# Altium PCB hand_fpc.PcbDoc (part 2 of 2)
Units mm, origin at the board's own origin, x right, y up, seen from the top; angles counter-clockwise.
Board outline 66 x 117.49 mm, 2 copper layers (Top Layer, Bottom Layer); 51 components, 53 nets, 256 pads, 358 vias.
Unrouted connection lines stored in the file: 50.
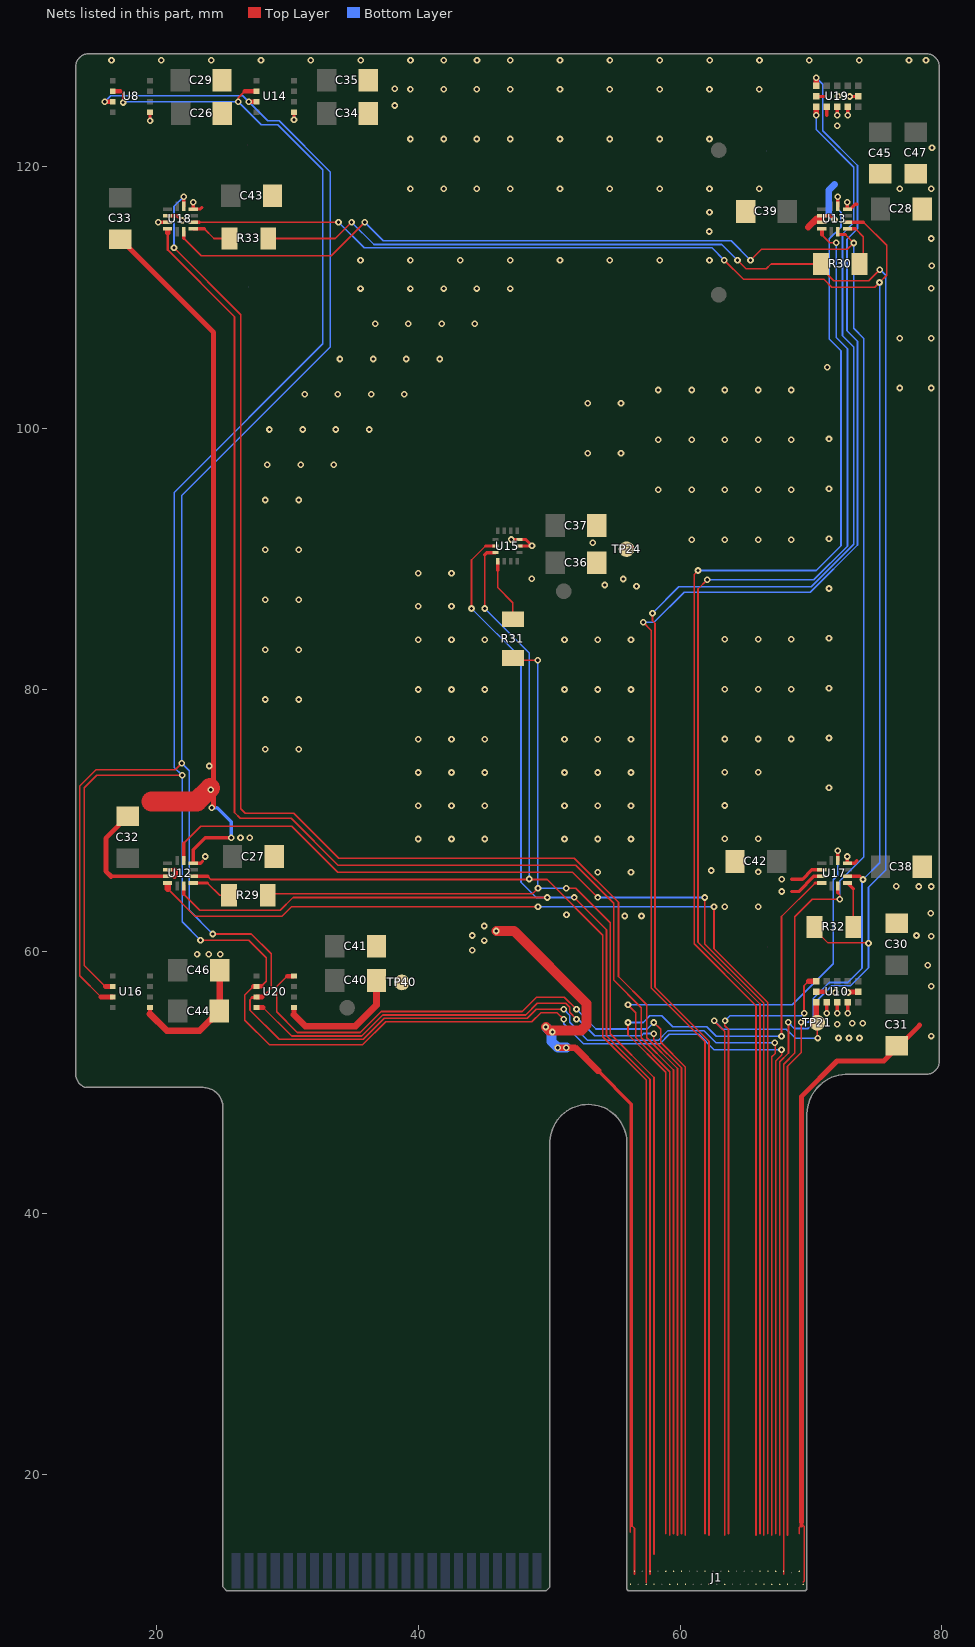
[diagram p2: the nets of this part, all layers, seen from the top]

## Via types
v1: diameter 0.508, hole 0.254, Top Layer to Bottom Layer, tented both sides, 358 vias

## Nets (pads, with @x,y where several pads share a name; then routed paths per layer and width w, separated by ;. In a path a pad name is that pad's centre, name@x,y a point inside that pad or via, vN(x,y) a via of type N, cw(c..) or ccw(c..) an arc to the next point about the centre after c; other vN are vias at no path point) (continued)
FPC_CH101_4_PROG: J1.32 U20.4 | length 72.6
  Top Layer w0.127: 28.124,55.721 30.306,53.539 35.673,53.539 37.279,55.145 48.196,55.145 49.088,56.038 51.257,56.038 51.562,55.733 51.562,55.349 v1(52.081,54.829) ; v1(57.995,53.712) 57.995,53.217 60.101,51.11 60.101,15.512
  Top Layer w0.35: U20.4@27.634,55.721 28.124,55.721
  Bottom Layer w0.127: v1@52.218,54.827 53.476,53.568 57.038,53.568 57.207,53.737 57.969,53.737 v1(57.995,53.712)
FPC_CH101_4_RESET: J1.31 U20.8 | length 75.6
  Top Layer w0.127: 29.968,58.121 29.166,57.319 29.166,55.388 30.749,53.805 35.563,53.805 37.168,55.411 47.93,55.411 49.026,56.507 51.15,56.507 v1(52.081,55.575) ; v1(57.995,54.575) 58.515,54.055 58.515,53.056 60.406,51.166 60.406,15.398
  Top Layer w0.35: 29.968,58.121 U20.8@30.484,58.121
  Bottom Layer w0.127: v1(52.081,55.575) 53.576,54.081 57.5,54.081 v1(57.995,54.575)
FPC_CH101_SCL: J1.8 U8.2 U14.2 U16.2 U20.2 | length 203
  Top Layer w0.127: 16.057,57.321 14.453,58.925 14.453,72.517 15.401,73.466 v1(21.939,73.466) ; 17.21,125.754 17.424,125.539 v1(17.424,124.892) ; v1(23.343,60.858) 27.026,60.858 28.372,59.512 28.372,57.734 27.975,57.337 ; v1(26.228,124.954) 26.228,125.246 26.735,125.754 ; 27.374,57.321 26.732,56.679 26.732,54.743 28.614,52.861 35.721,52.861 37.491,54.631 48.666,54.631 49.364,55.329 50.597,55.329 v1(51.097,54.829) ; U20.2@27.634,57.321 U20.2@27.65,57.337 ; 67.301,15.512 67.301,51.629 67.764,52.092 v1@67.764,52.483
  Top Layer w0.35: 16.057,57.321 U16.2@16.634,57.321 ; U8.2@16.634,125.754 17.21,125.754 ; 26.735,125.754 U14.2@27.634,125.754 ; 27.374,57.321 U20.2@27.634,57.321 ; U20.2@27.65,57.337 27.975,57.337
  Bottom Layer w0.127: v1(17.424,124.892) 17.487,124.954 v1(26.228,124.954) 27.981,123.2 29.244,123.2 32.69,119.755 32.69,106.443 21.336,95.089 21.336,74.069 v1(21.939,73.466) 21.939,62.262 v1(23.343,60.858) ; v1(51.097,54.829) 51.097,54.473 52.635,52.935 58.437,52.935 59.167,53.665 61.419,53.665 62.592,52.493 v1(67.748,52.493)
FPC_CH101_SDA: J1.9 U8.3 U14.3 U16.3 U20.3 | length 203.4
  Top Layer w0.127: 15.739,56.521 14.122,58.138 14.122,72.654 15.358,73.889 21.413,73.889 v1(21.904,74.38) ; v1(24.282,61.341) 27.229,61.341 28.753,59.817 28.753,57.201 28.073,56.521 ; 27.292,56.477 27.127,56.312 27.127,55.506 29.353,53.28 35.781,53.28 37.386,54.885 48.311,54.885 49.001,55.575 v1(51.097,55.575) ; U20.3@27.59,56.477 U20.3@27.634,56.521 ; 67.006,15.398 67.006,51.654 67.006,51.953 67.26,52.208 67.26,52.993 v1(67.229,53.025)
  Top Layer w0.254: 27.292,56.477 U20.3@27.59,56.477
  Top Layer w0.35: 15.739,56.521 U16.3@16.634,56.521 ; v1(16.028,124.954) U8.3@16.634,124.954 ; v1(27.028,124.954) U14.3@27.634,124.954 ; U20.3@27.634,56.521 28.073,56.521
  Bottom Layer w0.127: v1(16.028,124.954) 16.473,125.4 26.582,125.4 v1(27.028,124.954) 28.491,123.491 29.351,123.491 33.258,119.584 33.258,106.207 21.904,94.853 v1(21.904,74.38) 22.479,73.806 22.479,63.144 v1(24.282,61.341) ; v1(51.097,55.575) 51.562,55.111 51.562,54.58 52.916,53.226 58.347,53.226 59.075,53.954 61.817,53.954 62.746,53.025 v1(67.229,53.025)
FPC_KX132_1_CS: J1.10 U12.10 | length 92.9
  Top Layer w0.127: 20.833,64.788 22.923,62.698 29.576,62.698 30.296,63.417 v1(49.134,63.417) ; v1(62.592,63.415) 62.592,60.212 66.701,56.102 66.701,15.512
  Top Layer w0.5: 20.833,64.788 U12.10@20.833,65.123
  Bottom Layer w0.127: v1(49.134,63.417) 62.59,63.417 v1(62.592,63.415)
FPC_KX132_1_INT1: J1.11 U12.5 | length 94.6
  Top Layer w0.127: 22.057,68.264 23.368,69.575 30.323,69.575 33.842,66.056 51.778,66.056 v1(53.702,64.132) v1@53.702,64.1 ; v1(61.885,64.122) 61.885,60.575 66.406,56.054 66.406,15.398
  Top Layer w0.254: U12.5@22.057,66.964 22.057,68.264
  Bottom Layer w0.127: v1(53.702,64.132) 61.543,64.132 61.551,64.124 v1@61.885,64.124
FPC_KX132_2_CS: J1.12 U13.10 | length 112.3
  Top Layer w0.127: v1(62.08,88.412) 61.37,87.702 61.37,60.712 66.101,55.98 66.101,15.942 66.101,15.512 ; 70.833,114.792 71.447,114.177 v1(71.942,114.177)
  Top Layer w0.3: 70.833,114.792 U13.10@70.833,115.239
  Bottom Layer w0.127: v1(62.08,88.412) 70.216,88.412 72.79,90.986 72.79,106.07 71.925,106.936 71.925,114.16 v1(71.942,114.177)
FPC_KX132_2_INT1: J1.13 U13.5 | length 115.8
  Top Layer w0.127: v1(61.373,89.119) 61.074,88.82 61.074,60.59 65.806,55.858 65.806,15.942 65.806,15.398
  Top Layer w0.254: U13.5@72.057,116.964 v1(72.057,117.695)
  Bottom Layer w0.127: v1(61.373,89.119) 70.415,89.119 72.298,91.002 72.298,105.918 71.399,106.817 71.399,114.468 72.298,115.367 72.298,116.498 72.057,116.738 v1(72.057,117.695)
FPC_KX132_3_CS: J1.34 U18.10 | length 128.6
  Top Layer w0.127: 20.833,113.631 25.943,108.52 25.943,70.628 26.391,70.18 30.277,70.18 33.857,66.6 52.015,66.6 54.918,63.698 54.918,57.82 57.035,55.702 57.035,53.403 59.501,50.937 59.501,15.942 59.501,15.512
  Top Layer w0.2: 20.833,113.631 20.833,114.91
  Top Layer w0.4: 20.833,114.91 U18.10@20.833,115.175
FPC_KX132_3_INT1: J1.33 U18.5 | length 132
  Top Layer w0.127: v1(21.321,113.777) 26.431,108.667 26.431,70.902 26.772,70.561 30.477,70.561 33.906,67.133 51.913,67.133 55.288,63.758 55.288,58.087 57.454,55.921 57.454,53.414 59.806,51.062 59.806,15.942 59.806,15.398
  Top Layer w0.254: U18.5@22.057,116.964 v1(22.057,117.695)
  Bottom Layer w0.127: v1(21.321,113.777) 21.321,116.958 v1(22.057,117.695)
FPC_KX132_4_CS: J1.36 U17.10 | length 66.1
  Top Layer w0.127: v1(56.023,54.575) 56.023,53.652 58.901,50.773 58.901,15.942 58.901,15.512 ; v1(67.748,53.514) 67.748,62.668 70.319,65.239
  Top Layer w0.254: 70.319,65.239 U17.10@70.833,65.239
  Bottom Layer w0.127: v1(56.023,54.575) 57.182,54.575 57.69,55.083 58.604,55.083 59.433,54.255 62.033,54.255 62.774,53.514 v1(67.748,53.514)
FPC_KX132_4_INT1: J1.35 U17.5 | length 68.3
  Top Layer w0.127: v1@55.992,55.921 56.598,55.315 56.598,53.421 59.206,50.813 59.206,15.942 59.206,15.398
  Top Layer w0.254: U17.5@72.057,66.964 v1(72.057,67.695)
  Bottom Layer w0.127: v1(56.023,55.921) 68.561,55.921 71.695,59.056 71.695,65.472 72.057,65.834 v1(72.057,67.695)
FPC_SPI2_SCLK: J1.40 U12.12 U15.13 | length 116.4
  Top Layer w0.127: 22.057,64.376 23.279,63.155 29.449,63.155 30.418,64.124 v1(49.841,64.124) ; v1(44.058,86.219) 44.058,89.926 45.121,90.989 ; v1(51.902,64.132) 54.373,61.662 54.373,53.568 57.701,50.239 57.701,12.409 57.711,12.399
  Top Layer w0.254: 22.057,64.376 U12.12@22.057,65.014 ; 45.121,90.989 45.383,90.989 U15.13@45.895,90.989
  Bottom Layer w0.127: v1(44.058,86.219) 47.835,82.442 47.835,65.294 49.005,64.124 v1(49.841,64.124) 51.795,64.124 v1@51.797,64.126
FPC_SPI2_SDI: J1.41 U12.2 U15.14 | length 111.2
  Top Layer w0.127: U12.2@22.783,65.739 U12.2@22.796,65.726 ; 23.895,65.739 24.137,65.497 48.468,65.497 49.841,65.497 54.088,61.251 54.088,53.495 57.406,50.177 57.406,16.231 57.406,11.766 ; v1(45.058,86.219) 45.058,90.336
  Top Layer w0.254: U12.2@22.783,65.739 23.895,65.739 ; 45.058,90.336 45.211,90.489 U15.14@45.895,90.489
  Bottom Layer w0.127: v1(45.058,86.219) 48.468,82.809 v1(48.468,65.538)
FPC_SPI2_SDO: J1.39 R29.1 R31.1 | length 96.8
  Top Layer w0.127: R29.1@28.454,64.409 48.712,64.409 v1(49.134,64.831) 49.002,64.964 v1@49.134,64.964 ; R31.1@47.219,82.443 47.391,82.271 v1(49.124,82.271) ; v1(51.289,64.837) 52.028,64.837 54.668,62.197 54.668,53.707 58.006,50.37 58.006,13.919
  Bottom Layer w0.127: v1(49.124,82.271) 49.124,64.842 v1(49.134,64.831) v1@51.183,64.831
FPC_SPI3_SCLK: J1.6 U13.12 U17.12 U18.12 | length 163.7
  Top Layer w0.127: 22.057,114.518 23.393,113.182 33.333,113.182 v1(35.89,115.739) ; v1(65.386,112.834) 66.216,113.665 72.783,113.665 v1(73.271,114.152) 72.62,114.804 ; 67.911,12.399 67.911,51.393 68.758,52.24 68.758,62.662 70.09,63.994 v1(72.211,63.994) 72.211,64.314 72.057,64.467 ; U13.12@72.057,114.804 U13.12@72.057,115.014
  Top Layer w0.254: 22.057,114.518 U18.12@22.057,115.014 ; 72.057,64.467 U17.12@72.057,65.014 ; U13.12@72.057,114.804 72.62,114.804
  Bottom Layer w0.127: v1(35.89,115.739) 37.317,114.312 63.908,114.312 v1(65.386,112.834) ; v1(72.211,63.994) 72.211,65.388 74.045,67.222 74.045,106.854 73.271,107.628 v1(73.271,114.152)
FPC_SPI3_SDI: J1.5 U13.2 U17.2 U18.2 | length 162.6
  Top Layer w0.127: 23.266,115.739 v1(33.89,115.739) ; v1(63.386,112.834) 64.842,111.379 70.993,111.379 71.603,110.769 74.88,110.769 v1(75.244,111.133) 75.794,111.683 75.794,113.97 74.024,115.739 ; 68.206,15.398 68.206,51.096 68.206,51.223 69.247,52.264 v1(69.247,54.599) ; 73.742,65.739 v1(73.976,65.506)
  Top Layer w0.254: U18.2@22.783,115.739 23.266,115.739 ; U17.2@72.783,65.739 73.742,65.739 ; U13.2@72.783,115.739 74.024,115.739
  Bottom Layer w0.127: v1(33.89,115.739) 35.851,113.779 62.442,113.779 v1(63.386,112.834) ; v1(69.247,54.599) 69.804,54.599 70.187,54.982 70.187,56.404 71.407,57.625 72.804,57.625 73.906,58.727 73.906,65.437 v1(73.976,65.506) 75.255,66.786 75.255,111.122 v1(75.244,111.133)
FPC_SPI3_SDO: J1.7 R30.1 R32.1 R33.1 | length 157.4
  Top Layer w0.127: R33.1@28.517,114.497 33.647,114.497 v1(34.89,115.739) ; v1(64.386,112.834) 65.039,112.181 66.588,112.181 66.954,112.547 R30.1@70.759,112.547 70.759,112.261 71.754,111.266 74.411,111.266 v1(75.26,112.116) ; 67.606,15.398 67.606,50.943 67.606,51.563 68.281,52.238 68.281,54.572 v1(68.255,54.599) ; R32.1@70.276,61.874 70.276,61.679 71.3,60.655 74.371,60.655 v1(74.397,60.63)
  Bottom Layer w0.127: v1(34.89,115.739) 36.597,114.033 63.188,114.033 v1(64.386,112.834) ; v1(68.255,54.599) 68.736,54.118 69.806,54.118 70.517,54.829 70.517,56.303 71.6,57.385 73.03,57.385 74.397,58.752 v1(74.397,60.63) 74.397,64.907 75.722,66.232 75.722,111.688 75.295,112.116 v1(75.26,112.116)
FPC_VL53L1X_1_GPIO1: J1.20 U10.7 | length 48.8
  Top Layer w0.127: v1(63.438,54.711) 63.418,54.691 63.418,54.334 63.701,54.05 63.701,53.661 63.701,15.512 ; v1@69.476,55.277 69.476,55.273 v1(69.479,55.277) 69.476,55.281 69.476,57.384 69.813,57.721
  Top Layer w0.4: 69.813,57.721 U10.7@70.403,57.721
  Bottom Layer w0.127: v1(63.438,54.711) 63.81,55.083 69.286,55.083 v1(69.479,55.277)
FPC_VL53L1X_1_XSHUT: J1.21 TP21.TP? U10.5 | length 50.9
  Top Layer w0.127: v1(62.618,54.711) 62.618,54.677 63.406,53.889 63.406,53.432 63.406,15.398 ; TP21.TP?@70.403,54.626 TP21.TP?@70.479,54.55 70.479,53.419 v1(70.517,53.382)
  Top Layer w0.4: TP21.TP?@70.403,54.626 U10.5@70.403,56.121
  Bottom Layer w0.127: v1(62.618,54.711) 63.261,54.067 68.104,54.067 68.815,53.356 70.542,53.356 v1(70.517,53.382)
FPC_VL53L1X_2_GPIO1: J1.26 U19.7 | length 128.7
  Top Layer w0.127: v1(57.182,85.157) 57.782,84.557 57.782,57.224 61.901,53.104 61.901,15.942 61.901,15.512
  Top Layer w0.4: U19.7@70.403,126.154 v1(70.403,126.785)
  Bottom Layer w0.127: v1(57.182,85.157) 58.006,85.157 60.318,87.468 69.958,87.468 73.561,91.071 73.561,106.652 72.76,107.453 72.76,114.436 73.561,115.237 73.561,120.073 70.898,122.735 70.898,126.29 v1(70.403,126.785)
FPC_VL53L1X_2_XSHUT: J1.25 U19.5 | length 125.2
  Top Layer w0.127: v1(57.889,85.864) 57.889,85.278 58.086,85.081 58.086,57.265 62.206,53.146 62.206,15.942 62.206,15.398
  Top Layer w0.4: v1(70.403,123.923) U19.5@70.403,124.554
  Bottom Layer w0.127: v1(57.889,85.864) 59.9,87.875 70.034,87.875 73.285,91.125 73.285,106.197 72.415,107.067 72.415,114.847 73.285,115.716 73.285,119.943 70.403,122.825 v1(70.403,123.923)
GND: C26.2 C27.1 C28.1 C29.2 C30.1 C31.1 C32.1 C33.1 C34.2 C35.2 C36.1 C37.2 C38.1 C39.1 C40.2 C41.2 C42.1 C43.1 C44.2 C45.1 C46.2 C47.1 J1.1 J1.2 J1.44 J1.45 TP24.TP? TP40.TP? U8.5 U10.2 U10.3 U10.4 U10.6 U10.12 U12.4 U12.8 U12.9 U13.4 U13.8 U13.9 U14.5 U15.6 U15.7 U16.5 U17.4 U17.8 U17.9 U18.4 U18.8 U18.9 U19.2 U19.3 U19.4 U19.6 U19.12 U20.5 | length 228.1
  Top Layer w0.127: 56.183,15.626 56.183,16.027 56.288,16.132 56.511,15.909 56.511,12.399 ; 69.113,15.512 69.113,15.976 69.266,16.129 ; 69.29,16.129 69.409,16.129 69.484,16.055 69.484,11.882 69.409,11.807
  Top Layer w0.25: v1(47.102,91.489) U15.7@47.721,91.489 48.193,91.489 v1(48.68,91.002) 48.667,90.989 U15.6@47.721,90.989
  Top Layer w0.254: 16.506,65.739 U12.9@20.833,65.739 21.356,65.739 ; U8.5@19.484,124.154 19.484,123.49 v1(19.488,123.486) ; v1(20.102,115.739) U18.9@20.833,115.739 ; U12.8@20.833,66.239 21.368,66.239 ; U18.8@20.833,116.239 21.581,116.239 v1(21.946,115.875) ; v1(22.783,117.26) U18.4@22.783,116.739 22.796,116.752 23.331,116.752 23.444,116.865 ; 23.495,66.904 23.344,66.752 22.796,66.752 U12.4@22.783,66.739 22.783,67.788 23.695,68.7 v1(25.69,68.7) ; v1(30.484,123.573) U14.5@30.484,124.154 ; 53.727,50.882 56.277,48.331 56.277,16.132 ; 68.51,64.583 69.067,64.583 70.223,65.739 U17.9@70.833,65.739 ; 68.51,65.523 69.358,65.523 70.075,66.239 U17.8@70.833,66.239 ; U19.6@70.403,125.354 71.034,125.354 ; U13.8@70.833,116.239 71.493,116.239 v1(71.805,115.927) ; v1@71.203,55.49 U10.4@71.203,56.121 ; 71.203,123.923 U19.4@71.203,124.554 ; v1@72.003,55.49 U10.3@72.003,56.121 ; v1(72.003,123.923) U19.3@72.003,124.554 ; v1(72.783,67.26) U17.4@72.783,66.739 72.796,66.752 73.331,66.752 73.508,66.929 ; v1(72.783,117.26) U13.4@72.783,116.739 72.993,116.739 73.373,117.119 73.508,117.119 ; v1@72.803,55.49 U10.2@72.803,56.121 ; v1(72.803,123.923) U19.2@72.803,124.554 ; v1(72.972,125.354) U19.12@73.603,125.354
  Top Layer w0.3: 19.484,55.224 U16.5@19.484,55.721 ; 69.29,16.129 69.29,16.383
  Top Layer w0.35: U10.6@70.403,56.921 71.094,56.921
  Top Layer w0.381: 16.506,65.739 16.104,66.142 16.104,68.649 C32.1@17.78,70.325 ; C33.1@17.221,114.435 24.333,107.323 24.333,106.705 24.333,71.12 v1(24.206,70.993) ; 21.356,65.739 21.45,65.834 21.45,66.157 21.368,66.239 ; 69.29,16.383 69.29,48.928 71.991,51.629 75.572,51.629 78.308,54.366 ; v1(72.828,56.861) 72.888,56.921 U10.12@73.603,56.921
  Top Layer w0.4: 30.484,55.163 U20.5@30.484,55.721
  Top Layer w0.508: 19.484,55.224 20.758,53.95 23.284,53.95 C44.2@24.783,55.448 24.802,55.468 C46.2@24.802,58.574 ; 30.484,55.163 31.35,54.296 35.195,54.296 36.797,55.898 C40.2@36.797,57.785 ; v1(50.648,52.654) 51.954,52.654 53.727,50.882 ; 69.799,115.367 70.422,115.989 70.808,115.989
  Top Layer w0.762: v1(45.949,61.565) 47.317,61.565 52.848,56.034 52.848,54.373 52.451,53.975 49.996,53.975 v1@49.75,54.221
  Top Layer w1.524: 19.609,71.476 23.063,71.476 v1@24.079,72.492
  Bottom Layer w0.254: v1(24.206,70.993) 24.606,70.993 25.69,69.909 v1(25.69,68.7)
  Bottom Layer w0.508: v1(71.805,115.927) 71.349,116.384 71.349,118.166 71.805,118.623
  Bottom Layer w0.762: v1@49.835,54.127 50.177,53.784 50.177,53.124 v1(50.648,52.654) v1(51.301,52.654)
  other v1: 72.111,53.391 72.911,53.391 73.711,53.391 79.204,53.534 50.241,53.848 49.742,54.229 72.009,54.432 73.152,54.508 73.952,54.508 71.203,55.277 72.003,55.277 72.803,55.277 71.859,56.861 79.204,57.344 78.918,58.953 23.081,59.798 23.97,59.798 24.86,59.798 44.12,60.101 45.034,60.833 79.204,61.154 44.12,61.218 78.064,61.217 45.034,61.951 55.778,62.713 57.048,62.713 51.315,62.814 79.146,62.916 63.421,63.415 65.961,63.415 67.758,64.583 76.517,64.98 78.232,64.964 79.204,64.964 67.758,65.523 53.702,66.056 56.242,66.056 65.961,66.082 62.382,66.192 23.695,67.26 39.986,68.596 42.526,68.596 45.066,68.596 51.162,68.596 53.702,68.596 56.242,68.596 63.421,68.622 65.961,68.622 26.401,68.7 27.111,68.7 39.986,71.136 42.526,71.136 45.066,71.136 51.162,71.136 53.702,71.136 56.242,71.136 63.421,71.162 24.122,72.369 71.381,72.508 39.986,73.676 42.526,73.676 45.066,73.676 51.162,73.676 53.702,73.676 56.242,73.676 63.421,73.702 65.961,73.702 24.02,74.172 28.302,75.454 30.842,75.454 39.986,76.216 42.526,76.216 45.066,76.216 51.162,76.216 53.702,76.216 56.242,76.216 63.421,76.242 65.961,76.242 68.501,76.242 71.381,76.318 28.302,79.264 30.842,79.264 39.986,80.026 42.526,80.026 45.066,80.026 51.162,80.026 53.702,80.026 56.242,80.026 63.421,80.052 65.961,80.052 68.501,80.052 71.381,80.128 28.302,83.074 30.842,83.074 39.986,83.836 42.526,83.836 45.066,83.836 51.162,83.836 53.702,83.836 56.242,83.836 63.421,83.862 65.961,83.862 68.501,83.862 71.381,83.938 39.986,86.376 42.526,86.376 28.302,86.884 30.842,86.884 71.381,87.748 56.667,87.909 54.229,88.011 55.651,88.468 48.666,88.494 39.986,88.916 42.526,88.916 28.302,90.694 30.842,90.694 53.315,91.237 60.881,91.482 63.421,91.482 65.961,91.482 68.501,91.482 71.381,91.558 28.302,94.504 30.842,94.504 58.341,95.292 60.881,95.292 63.421,95.292 65.961,95.292 68.501,95.292 71.381,95.368 28.456,97.198 30.996,97.198 33.536,97.198 52.94,98.086 55.48,98.086 58.341,99.102 60.881,99.102 63.421,99.102 65.961,99.102 68.501,99.102 71.381,99.178 28.61,99.892 31.15,99.892 33.69,99.892 36.23,99.892 52.94,101.896 55.48,101.896 31.304,102.587 33.844,102.587 36.384,102.587 38.924,102.587 58.341,102.912 60.881,102.912 63.421,102.912 65.961,102.912 68.501,102.912 76.8,103.064 79.204,103.064 71.247,104.648 33.998,105.281 36.538,105.281 39.078,105.281 41.618,105.281 76.8,106.874 79.204,106.874 36.693,107.975 39.233,107.975 41.773,107.975 44.313,107.975 35.577,110.669 39.387,110.669 41.927,110.669 44.467,110.669 47.007,110.669 79.204,110.684 79.223,112.42 35.577,112.834 39.387,112.834 43.197,112.834 47.007,112.834 50.817,112.834 54.627,112.834 58.437,112.834 62.247,112.834 79.204,114.494 62.23,115.037 62.247,116.504 39.387,118.289 41.927,118.289 44.467,118.289 47.007,118.289 50.817,118.289 54.627,118.289 58.437,118.289 62.247,118.289 66.057,118.289 76.8,118.304 79.204,118.304 79.248,121.437 39.387,122.099 41.927,122.099 44.467,122.099 47.007,122.099 50.817,122.099 54.627,122.099 58.437,122.099 62.247,122.099 72.003,123.123 38.202,124.663 72.066,125.365 39.387,125.909 41.927,125.909 44.467,125.909 47.007,125.909 50.817,125.909 54.627,125.909 58.437,125.909 62.247,125.909 66.057,125.909 38.202,125.933 16.535,128.118 20.345,128.118 24.155,128.118 27.965,128.118 31.775,128.118 35.585,128.118 39.395,128.118 41.935,128.118 44.475,128.118 47.015,128.118 50.825,128.118 54.635,128.118 58.445,128.118 62.255,128.118 66.065,128.118 69.875,128.118 73.685,128.118 77.495,128.118 78.791,128.118
NetR29_2: R29.2 U12.1 | length 3.5
  Top Layer w0.127: 23.864,65.239 24.811,64.292 R29.2@25.521,64.292 ; R29.2@25.455,64.567 R29.2@25.73,64.292
  Top Layer w0.254: U12.1@22.783,65.239 23.864,65.239
NetR30_2: R30.2 U13.1 | length 3
  Top Layer w0.127: 73.406,115.239 74.005,114.64 R30.2@74.005,113.126
  Top Layer w0.254: U13.1@72.783,115.239 73.406,115.239
NetR31_2: R31.2 U15.1 | length 4.9
  Top Layer w0.127: 46.058,89.124 46.058,87.826 47.219,86.665 R31.2@47.219,85.4
  Top Layer w0.254: 46.058,89.124 U15.1@46.058,89.826
NetR32_2: R32.2 U17.1 | length 3.8
  Top Layer w0.127: U17.1@72.783,65.239 U17.1@72.981,65.239 ; R32.2@73.234,61.874 73.234,64.788
  Top Layer w0.254: U17.1@72.783,65.239 73.234,64.788
NetR33_2: R33.2 U18.1 | length 3.1
  Top Layer w0.127: 23.637,115.239 24.38,114.497 R33.2@25.56,114.497
  Top Layer w0.254: U18.1@22.783,115.239 23.637,115.239
pads on no net: U10.8 U12.6 U12.11 U13.6 U13.11 U15.2 U15.3 U15.10 U15.11 U17.6 U17.11 U18.6 U18.11 U19.8

## Polygon pours and split planes (outlines as drawn)
GND on Bottom Layer "NONET_L-01_P-001" (hatched 45Degree grid 0.508 track 0.203, remove dead copper, pour order 19): 19.246,11.024 19.246,47.981 ccw(c17.895,48.152) 18.067,49.503 14.067,49.503 cw(c14.357,50.521) 13.299,50.516 13.299,127.516 cw(c14.299,127.516) 14.299,128.516 78.299,128.516 cw(c78.299,127.516) 79.299,127.516 79.299,51.516 cw(c78.299,51.516) 78.299,50.516 74.174,50.521 ccw(c74.235,46.085) 69.799,46.024 69.799,11.419 54.799,11.419 54.799,46.02 ccw(c52.477,46.024) 50.154,46.024 50.154,11.024
FPC_BOS1901_2_OUT+ on Bottom Layer "NONET_L-01_P-001" (hatched 45Degree grid 0.508 track 0.203, remove dead copper, pour order 7): 49.165,59.071 46.101,56.007 46.101,49.073 46.71,48.463 46.71,14.095 46.861,13.945 49.254,13.945 49.581,14.271 49.581,49.2 49.149,49.632 49.149,54.407 50.994,56.252 68.561,56.252 71.33,59.02 71.33,69.968 68.841,72.457 65.539,72.457 65.412,72.33 65.412,70.298 68.256,67.453 68.256,59.528 67.799,59.071
FPC_BOS1901_4_OUT− on Bottom Layer "NONET_L-01_P-001" (hatched 45Degree grid 0.508 track 0.203, remove dead copper, pour order 3): 28.709,69.437 27.965,70.18 26.286,70.18 25.661,70.806 25.661,73.311 26.34,73.99 30.582,73.99 31.503,73.069 31.503,64.964 37.414,59.052 37.414,13.792 37.109,13.487 34.874,13.487 34.696,13.665 34.696,15.088 34.671,15.113 34.671,53.898 32.32,56.25 28.709,59.861 28.709,63.088
FPC_BOS1901_4_OUT+ on Bottom Layer "NONET_L-01_P-001" (hatched 45Degree grid 0.508 track 0.203, remove dead copper, pour order 2): 28.074,59.757 31.852,55.979 34.392,53.439 34.392,13.335 34.214,13.157 32.004,13.157 31.648,13.513 31.648,51.613 29.007,54.254 25.832,57.429 25.832,61.57 26.289,62.043 27.82,62.043 28.074,61.789
FPC_BOS1901_3_OUT− on Bottom Layer "NONET_L-01_P-001" (hatched 45Degree grid 0.508 track 0.203, remove dead copper, pour order 1): 28.372,50.114 24.968,53.518 22.962,53.518 17.296,59.184 17.156,96.592 28.658,108.093 28.658,118.025 27.108,119.574 25.838,119.574 25.121,120.292 25.121,122.158 26.025,123.063 28.318,123.063 31.858,119.523 31.858,106.722 20.32,95.184 20.32,60.985 25.552,55.753 26.594,55.753 30.988,51.359 30.988,50.317 30.988,13.437 30.658,13.106 28.575,13.106 28.372,13.31
FPC_BOS1901_1_OUT− on Bottom Layer "NONET_L-01_P-001" (hatched 45Degree grid 0.508 track 0.203, remove dead copper, pour order 4): 34.74,67.19 40.437,61.493 40.437,13.868 39.98,13.411 37.998,13.411 37.719,13.691 37.719,59.614 32.049,65.284 32.049,91.048 52.621,111.62 67.65,111.62 67.952,111.319 67.952,109.16 67.73,108.939 53.748,108.939 34.74,89.931
FPC_BOS1901_1_OUT+ on Bottom Layer "NONET_L-01_P-001" (hatched 45Degree grid 0.508 track 0.203, remove dead copper, pour order 5): 38.434,68.931 43.358,64.008 43.358,13.667 43.127,13.437 40.919,13.437 40.716,13.64 40.716,62.001 35.759,66.959 35.759,90.556 53.575,108.373 67.52,108.373 67.664,108.373 68.358,109.067 68.358,117.875 67.031,119.202 66.164,119.202 65.285,120.082 65.285,122.495 65.539,122.749 69.984,122.749 70.866,121.867 70.866,106.512 69.933,105.579 55.099,105.579 38.434,88.914
FPC_BOS1901_2_OUT− on Bottom Layer "NONET_L-01_P-001" (hatched 45Degree grid 0.508 track 0.203, remove dead copper, pour order 6): 46.111,56.5 46.111,48.758 46.431,48.438 46.431,13.843 46.177,13.589 44.069,13.589 43.713,13.945 43.713,58.344 47.335,61.965 67.522,61.965 67.825,61.662 67.825,59.63 67.481,59.287 48.898,59.287
FPC_BOS1901_3_OUT+ on Bottom Layer "NONET_L-01_P-001" (hatched 45Degree grid 0.508 track 0.203, remove dead copper, pour order 0): 18.11,49.987 24.816,49.987 25.756,49.047 25.756,13.945 25.984,13.716 28.068,13.716 28.397,14.046 28.397,50.114 25.298,53.213 23.165,53.213 22.114,54.264 17.17,59.207 17.17,97.749 28.582,109.16 28.582,111.954 28.201,112.335 18.787,112.335 14.3,107.848 14.3,53.797
GND on Top Layer "NONET_L-01_P-001" (hatched 45Degree grid 0.508 track 0.203, remove dead copper, pour order 25): 19.754,11.125 19.754,48.082 ccw(c18.403,48.254) 18.575,49.605 14.575,49.605 cw(c14.865,50.622) 13.807,50.617 13.807,127.617 cw(c14.807,127.617) 14.807,128.617 78.807,128.617 cw(c78.807,127.617) 79.807,127.617 79.807,51.617 cw(c78.807,51.617) 78.807,50.617 74.682,50.622 ccw(c74.743,46.186) 70.307,46.125 70.307,11.125 55.307,11.125 55.307,45.466 ccw(c52.985,45.469) 50.662,45.469 50.662,11.125
+3.3V on Top Layer "NONET_L-01_P-001" (solid, remove dead copper, pour order 13): 48.952,92.853 49.673,93.574 51.079,93.574 51.384,93.269 51.384,88.697 51.841,88.24 51.841,87.224 51.537,86.919 50.114,86.919 49.276,87.757 49.276,88.897 48.317,89.856 47.86,90.313 47.454,90.313 47.403,90.364 47.403,90.593 47.454,90.643 48.673,90.643 48.902,90.872 48.902,91.583 48.648,91.837 47.428,91.837 47.352,91.913 47.352,92.447 47.759,92.853
+3.3V on Top Layer "NONET_L01_P-001" (solid, remove dead copper, pour order 24): 73.279,58.979 73.939,59.639 77.165,59.639 77.546,59.258 77.546,55.321 77.343,55.118 73.889,55.118 73.279,55.728 73.279,57.531
+3.3V on Top Layer "NONET_L01_P-001" (solid, remove dead copper, pour order 23): 16.866,66.446 16.967,66.345 20.168,66.345 20.371,66.548 21.107,66.548 21.285,66.726 21.285,67.64 20.828,68.097 16.942,68.097 16.866,68.021
+1.8V on Top Layer "NONET_L-01_P-001" (solid, remove dead copper, pour order 14): 20.828,126.553 20.828,127.457 20.955,127.584 22.53,127.584 22.657,127.457 22.657,123.038 22.58,122.961 20.752,122.961 20.447,123.266 20.447,124.003 19.711,124.739 19.214,124.739 19.158,124.794 19.158,126.051 19.184,126.076 20.352,126.076
+3.3V on Top Layer "NONET_L01_P-001" (solid, remove dead copper, pour order 22): 16.256,118.491 16.256,116.942 16.672,116.526 21.073,116.526 21.26,116.713 21.26,118.593 21.184,118.669 16.434,118.669 16.281,118.516
+1.8V on Top Layer "NONET_L01_P-001" (solid, remove dead copper, pour order 21): 19.146,57.551 19.146,56.343 19.279,56.21 20.345,56.21 20.625,55.931 20.625,54.585 20.752,54.458 22.329,54.458 22.479,54.608 22.479,59.69 22.174,59.995 20.599,59.995 19.963,59.358 19.963,57.961 19.71,57.709 19.301,57.709 19.146,57.553
+1.8V on Top Layer "NONET_L01_P-001" (solid, remove dead copper, pour order 18): 30.15,57.633 30.15,56.363 30.378,56.134 34.29,56.134 34.544,56.388 34.544,61.087 34.163,61.468 32.639,61.468 31.979,60.808 31.979,58.42 31.267,57.709 30.226,57.709
+1.8V on Top Layer "NONET_L-01_P-001" (solid, remove dead copper, pour order 15): 31.013,124.739 32.613,123.139 33.731,123.139 34.011,123.419 34.011,127.356 33.503,127.864 32.283,127.864 31.555,127.135 31.555,126.28 31.352,126.076 30.184,126.076 30.158,126.051 30.158,124.794 30.214,124.739

## Keep-outs
Keep-Out Layer:
  lines w0.05: 23.536,49.605 14.575,49.605 cw(c14.865,50.622) 13.807,50.617 13.807,127.617 cw(c14.807,127.617) 14.807,128.617 78.807,128.617 cw(c78.807,127.617) 79.807,127.617 79.807,51.617 cw(c78.807,51.617) 78.807,50.617 74.682,50.622 72.916,50.622 ccw(c72.813,47.497) 69.688,47.6 69.688,11.325 cw(c69.488,11.326) 69.488,11.126 56.128,11.125 ; 23.536,49.606 cw(c23.536,48.091) 25.052,48.091 ; 25.052,48.081 25.052,11.426 25.352,11.125 49.759,11.125 50.052,11.419 50.052,45.491 50.053,45.491 cw(c52.99,45.371) 55.927,45.465 ; 55.928,45.465 55.928,11.326 ccw(c56.128,11.326) 56.128,11.126

## Other copper
Top Layer:
  pour cut-out: 55.448,10.922 55.448,16.383 70.282,16.383 70.282,10.922
  pour cut-out: 15.189,57.988 15.189,58.575 16.155,58.575 16.155,57.988
  pour cut-out: 17.113,58.1 17.113,58.575 19.005,58.575 19.005,58.1
  pour cut-out: 63.736,58.346 63.736,58.763 67.449,58.763 67.449,58.346
  pour cut-out: 55.524,61.189 55.524,62.128 57.556,62.128 57.556,61.189
  pour cut-out: 66.93,55.651 66.93,56.331 67.488,56.331 67.488,55.651
  pour cut-out: 68.809,57.963 68.809,58.225 69.899,58.225 69.899,57.963
  pour cut-out: 70.637,52.603 70.637,53.301 70.923,53.301 70.923,52.603
  pour cut-out: 27.155,58.575 27.155,58.817 27.388,58.817 27.388,58.575
  pour cut-out: 44.058,85.813 44.058,86.219 45.977,86.219 45.977,85.813
  pour cut-out: 61.223,88.819 61.223,88.97 61.999,88.97 61.999,88.819
  pour cut-out: 57.538,87.367 57.538,87.487 58.223,87.487 58.223,87.367
  pour cut-out: 57.538,87.487 57.538,88.078 57.715,88.078 57.715,87.487
Bottom Layer:
  pour cut-out: 72.085,63.271 72.771,63.271 72.771,59.741 72.695,59.665 72.06,59.665
  pour cut-out: 19.177,14.656 50.927,14.656 50.927,10.871 19.177,10.871 19.177,14.58
  pour cut-out: 22.874,58.574 22.874,58.852 24.206,58.852 24.206,58.574
  pour cut-out: 25.146,62.205 25.146,62.431 26.282,62.431 26.282,62.205

## Silkscreen, mask and mechanical layers (free items; w line width, h text height)
Top Overlay:
  drawing of 27 lines, arcs and shapes, not listed
  text "(+)" at 65.456,122.657 h0.76
  text "(-)" at 65.507,111.633 h0.76
  text "(GND)" at 58.395,92.151 h0.76
  text "(3v3)" at 55.067,85.623 h0.76
  text "HAND_FPC_v1" at 64.587,80.807 h1
  text "(GND)" at 45.364,57.226 h0.76
  text "(1v8)" at 41.021,54.737 h0.76
  text "(XSHUT1)" at 62.357,52.502 h0.76
  text "Actuator" at 34.158,31.593 h1
  text "Sensor" at 60.015,31.593 h1
  text "PI補強，總厚度 0.3mm" at 2.311,4.174 h5
  text "PI補強，總厚度 0.2mm" at 57.48,3.996 h5
Top Solder:
  region: 55.908,11.326 69.708,11.326 69.715,10.941 55.913,10.9
Bottom Solder:
  rectangle: 25.077,11.125 50.114,14.441

## Text inside footprints (layer, text, board x,y; h text height)
J2: Bottom Overlay "24" at 48.793,21.711 h0.64; Bottom Overlay "1" at 26.568,21.635 h0.64